# Altium PCB cam_cross_link.PcbDoc (part 1 of 4) (continued)
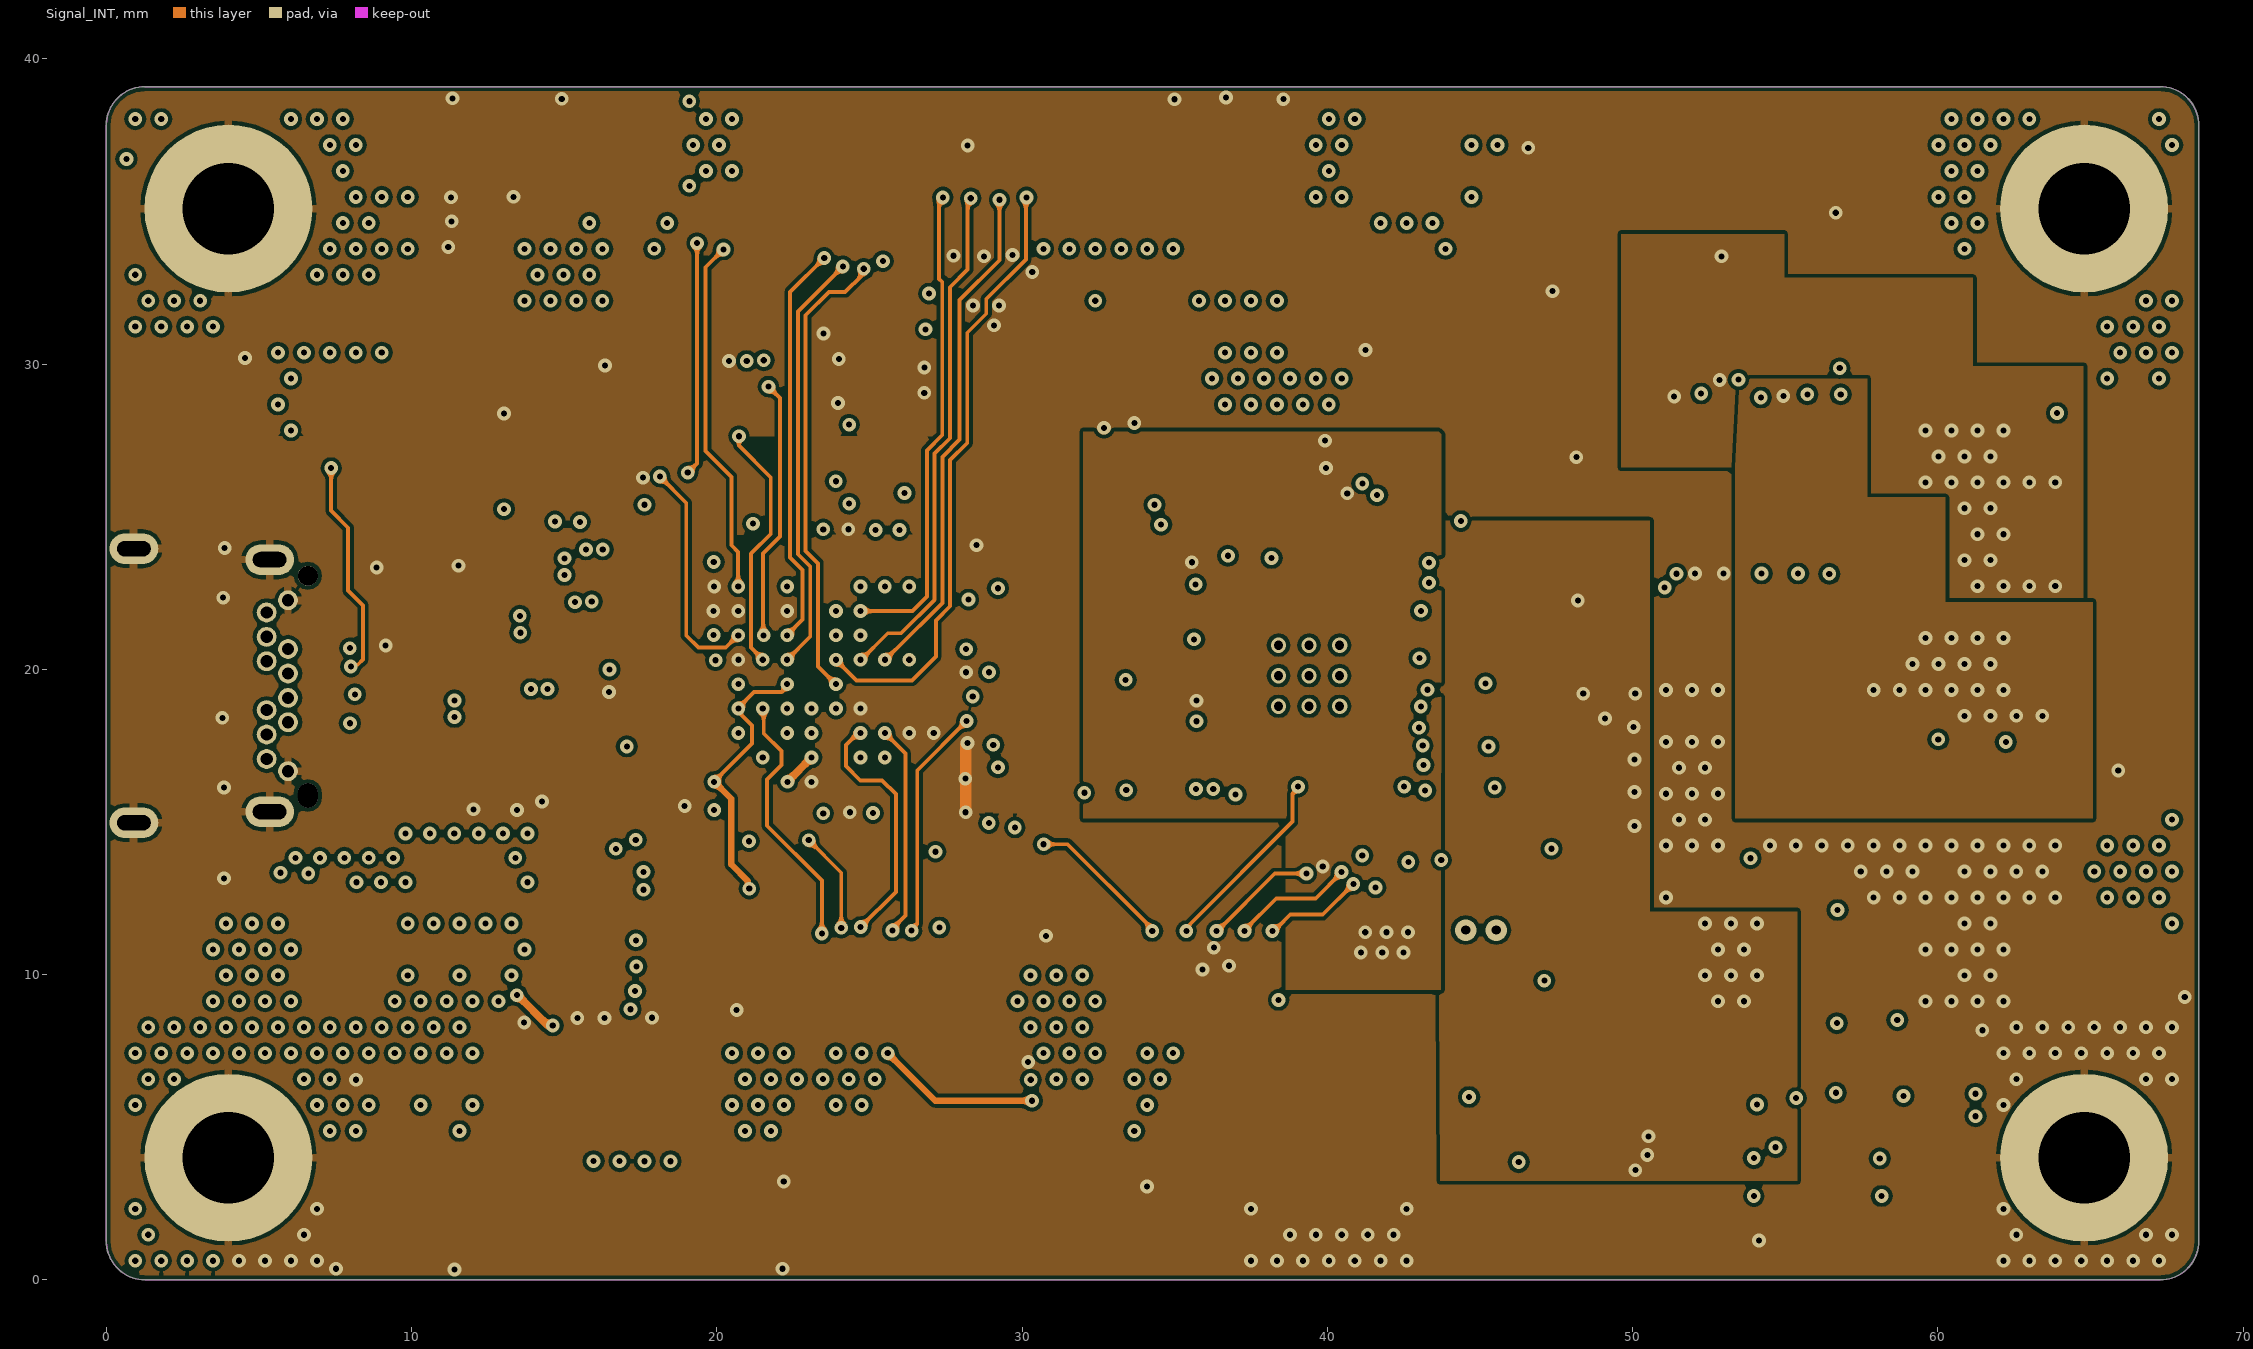
[diagram p4: Signal_INT]
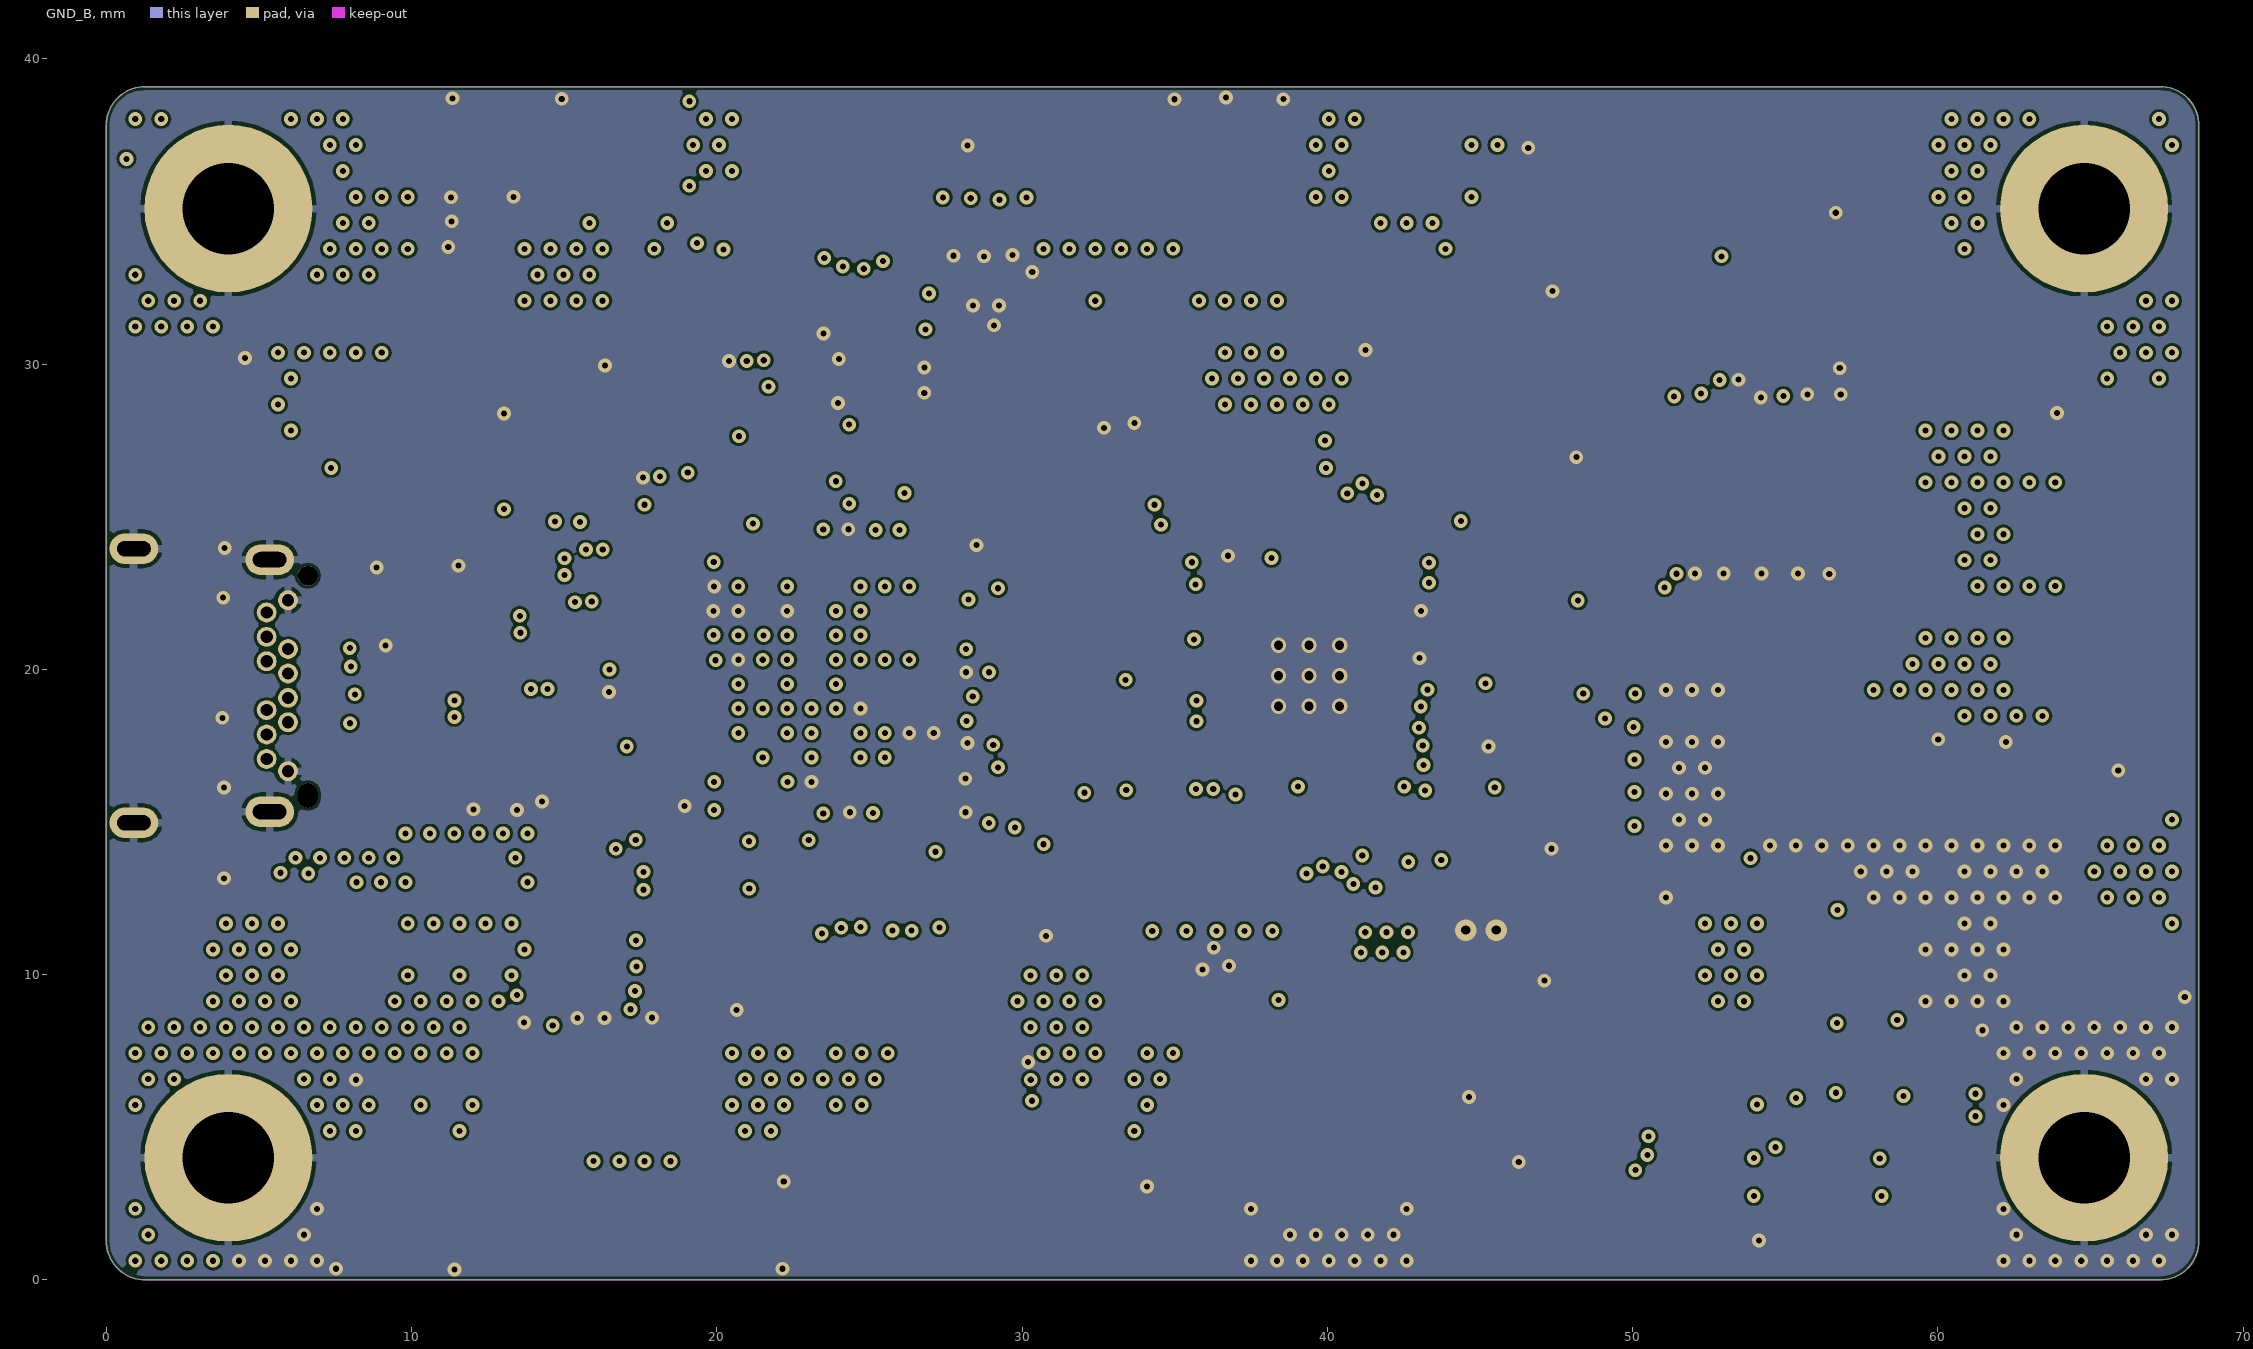
[diagram p5: GND_B]
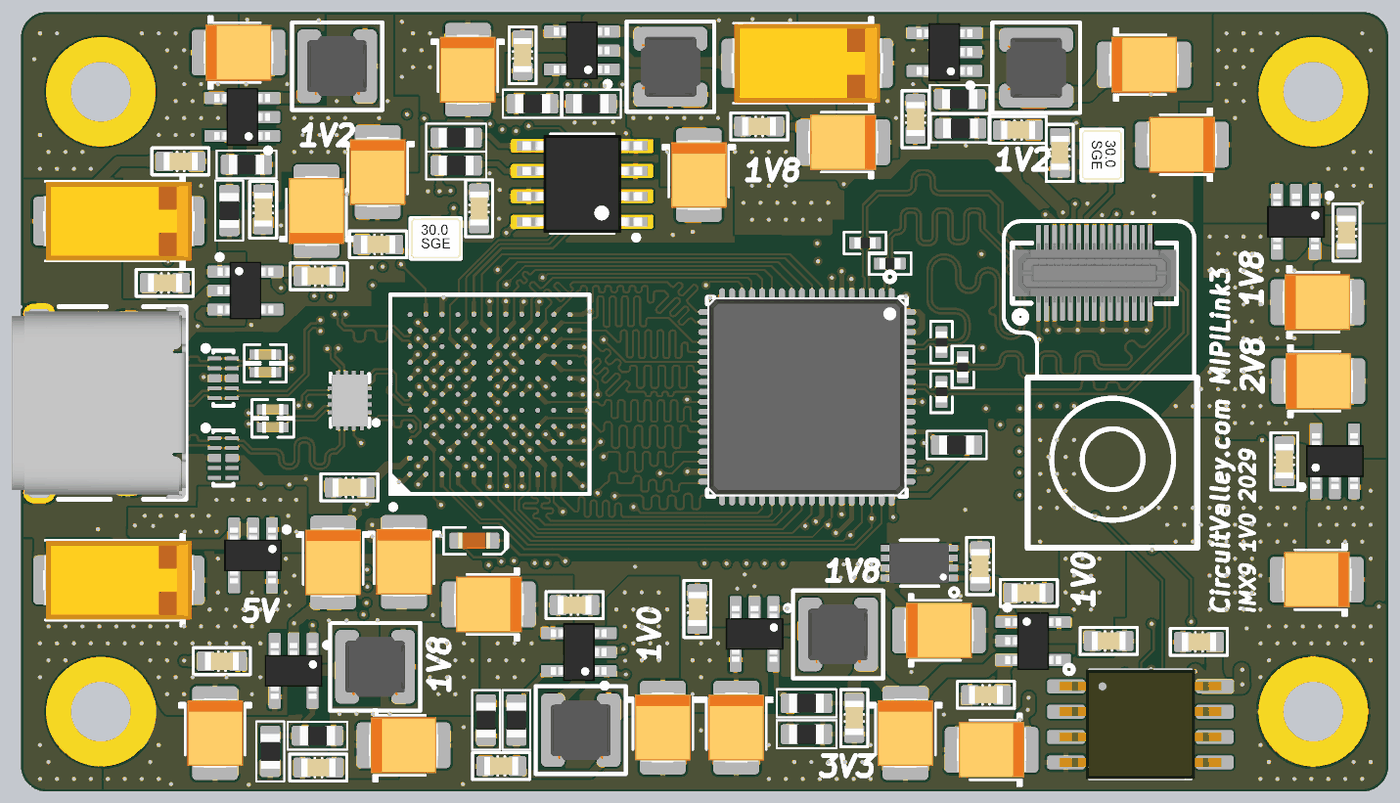
[diagram p9: 3D render of the assembled board from above, using the file's embedded part models]
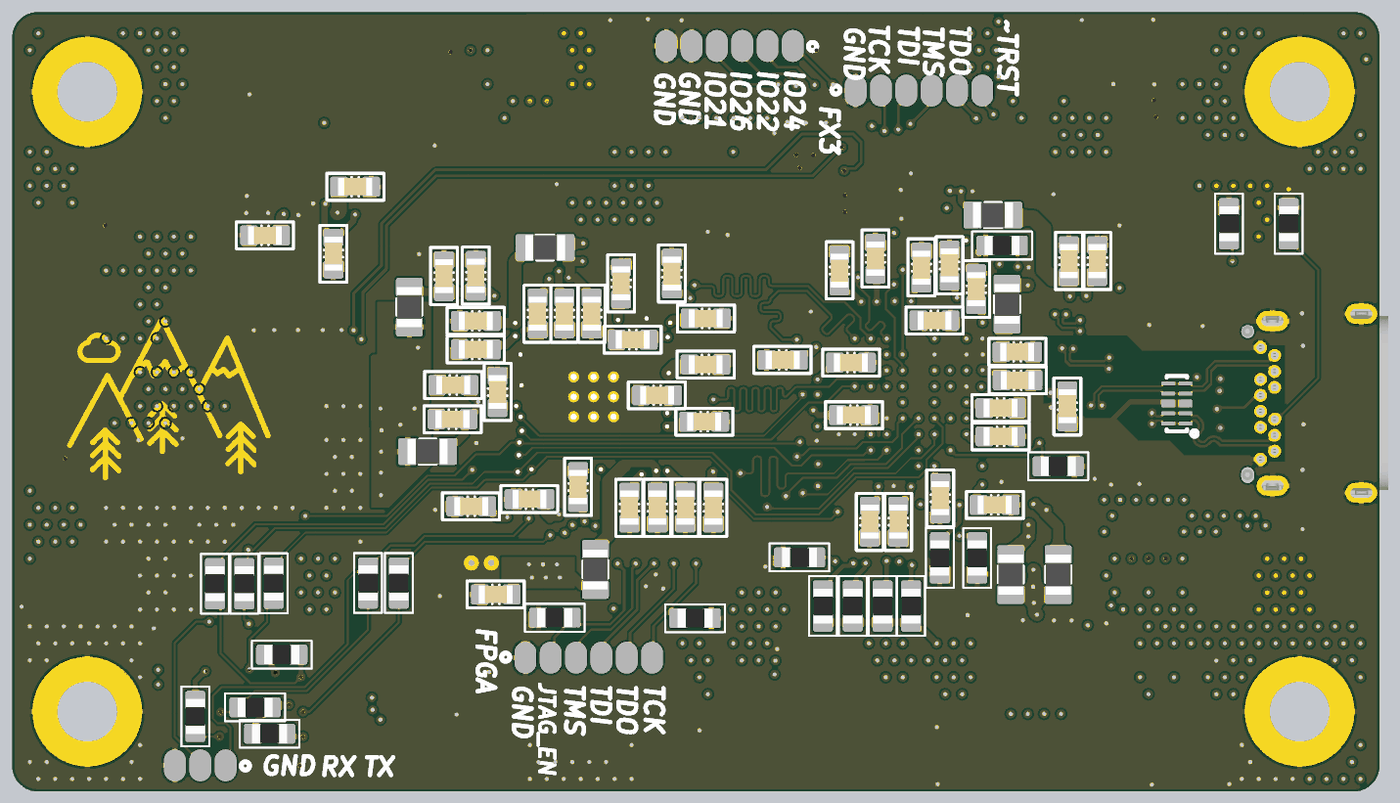
[diagram p10: 3D render of the assembled board from below, using the file's embedded part models]

## Layer stack, top to bottom
Top Solder: solder mask 0.0102, Solder Resist, Dk 3.5
Signal_T: signal copper 0.0356
Dielectric 2: prepreg 0.0711, PP-006, Dk 4.1
GND_T: signal copper 0.035
Dielectric 4: prepreg 0.0711, PP-006, Dk 4.1
PWR: signal copper 0.035
Dielectric 1: dielectric 0.32, FR-4, Dk 4.8
Signal_INT: signal copper 0.035
Dielectric 5: prepreg 0.0711, PP-006, Dk 4.1
GND_B: signal copper 0.035
Dielectric 3: prepreg 0.0711, PP-006, Dk 4.1
Signal_B: signal copper 0.0356
Bottom Solder: solder mask 0.0102, Solder Resist, Dk 3.5

## Board outline
0,8.761 0,37.818 cw(c1.268,37.818) 1.268,39.086 67.102,39.086 67.285,39.086 cw(c67.285,37.816) 68.555,37.816 68.555,1.27 cw(c67.285,1.27) 67.285,0 1.27,0 cw(c1.27,1.27) 0,1.27

## Design rules (kind name [scope] priority, off if disabled: settings)
Clearance Clearance_GNDT [OnLayer('GND_T')] p1: gap=0.127 ignorepadtopadclearanceinfootprint=FALSE
Clearance Clearance_INT [OnLayer('Signal_INT')] p2: gap=0.127 ignorepadtopadclearanceinfootprint=FALSE
Clearance [All] p3: gap=0.092 ignorepadtopadclearanceinfootprint=FALSE
Clearance Clearance_PWR [OnLayer('PWR')] p4: gap=0.127 ignorepadtopadclearanceinfootprint=FALSE
Clearance Clearance_GNDB [OnLayer('GND_B')] p5: gap=0.127 ignorepadtopadclearanceinfootprint=FALSE
ComponentClearance [All] p1: gap=0.254 collisioncheckmode=3 verticalgap=0 showdistances=FALSE
DiffPairsRouting [All] p1: maxlimit=0.102 minlimit=0.102 mostfreqgap=0.102 toplayer_minwidth=0.117 toplayer_maxwidth=0.254 toplayer_prefwidth=0.117 midlayer1_minwidth=0.117 midlayer1_maxwidth=0.254 midlayer1_prefwidth=0.117 midlayer2_minwidth=0.117 midlayer2_maxwidth=0.254 midlayer2_prefwidth=0.117 midlayer3_minwidth=0.117 midlayer3_maxwidth=0.254 midlayer3_prefwidth=0.117 midlayer4_minwidth=0.117 midlayer4_maxwidth=0.254 midlayer4_prefwidth=0.117 bottomlayer_minwidth=0.117 bottomlayer_maxwidth=0.254 bottomlayer_prefwidth=0.117 maxuncoupledlength=12.7
HoleSize [All] p1: absolutevalues=TRUE maxlimit=5 minlimit=0.025 maxpercent=80.000 minpercent=20.000
MatchedLengths Matched_MIPI_GRP [InNetClass('MIPI')] p1: tolerance=0.127 checknetsindiffpair=FALSE checkdiffpairvsdiffpair=TRUE checkxsignals=TRUE checkothers=TRUE
MatchedLengths Matched_MIPI [InNetClass('MIPI')] p2: tolerance=0.127 checknetsindiffpair=TRUE checkdiffpairvsdiffpair=FALSE checkxsignals=FALSE checkothers=FALSE
MatchedLengths Matched_GPIF_GRP [InNetClass('GPIF')] p3: tolerance=1.27 checknetsindiffpair=FALSE checkdiffpairvsdiffpair=TRUE checkxsignals=TRUE checkothers=TRUE
MatchedLengths Matched_USB3FX_GRP [InNetClass('USB3FX')] p4: tolerance=0.127 checknetsindiffpair=FALSE checkdiffpairvsdiffpair=TRUE checkxsignals=TRUE checkothers=TRUE
MatchedLengths Match_USB3FX [InNetClass('USB3FX')] p5: tolerance=0.102 checknetsindiffpair=TRUE checkdiffpairvsdiffpair=FALSE checkxsignals=FALSE checkothers=FALSE
MatchedLengths Matched_USB3_GRP [InNetClass('USB3')] p6: tolerance=0.254 checknetsindiffpair=FALSE checkdiffpairvsdiffpair=TRUE checkxsignals=TRUE checkothers=TRUE
MatchedLengths Matched_USB2 [InNetClass('USB2')] p7: tolerance=1.016 checknetsindiffpair=TRUE checkdiffpairvsdiffpair=FALSE checkxsignals=FALSE checkothers=FALSE
MatchedLengths Matched_USB3 [InNetClass('USB3')] p8: tolerance=0.102 checknetsindiffpair=TRUE checkdiffpairvsdiffpair=FALSE checkxsignals=FALSE checkothers=FALSE
MinimumSolderMaskSliver [All] p1: minsoldermaskwidth=0.001
PlaneClearance [All] p1: clearance=0.152
PlaneConnect PlaneConnect_1 [All] p1: pad.planeconnectstyle=Relief pad.reliefexpansion=0.508 pad.reliefentries=4 pad.reliefconductorwidth=0.254 pad.reliefairgap=0.127 via.planeconnectstyle=Direct via.reliefexpansion=0.508 via.reliefentries=4 via.reliefconductorwidth=0.254 via.reliefairgap=0.254
PolygonConnect [All] p1: thpad.connectstyle=Relief thpad.reliefconductorwidth=0.254 thpad.reliefentries=4 thpad.polygonreliefangle="90 Angle" thpad.airgapwidth=0.127 smdpad.connectstyle=Relief smdpad.reliefconductorwidth=0.254 smdpad.reliefentries=4 smdpad.polygonreliefangle="90 Angle" smdpad.airgapwidth=0.127 via.connectstyle=Direct via.reliefconductorwidth=0.254 via.reliefentries=4 via.polygonreliefangle="90 Angle" via.airgapwidth=0.254
RoutingVias [All] p1: holewidth=0.2 width=0.45 viastyle="Through Hole" minholewidth=0.2 minwidth=0.45 maxholewidth=6.3 maxwidth=7
SilkToSilkClearance [All] p1: silktosilkclearance=0
SilkToSolderMaskClearance [IsPad] p1: minsilkscreentomaskgap=0 clearancetoexposedcopper=TRUE
SolderMaskExpansion [All] p1: expansion=0.025 istentingtop=FALSE
Width [All] p1: maxlimit=1.27 minlimit=0.09 preferedwidth=0.127 midlayer1_minwidth=0.127 midlayer2_minwidth=0.127 midlayer3_minwidth=0.127 midlayer4_minwidth=0.127 minimp=50.000000 maximp=50.000000 favimp=50.000000
22 further rules are at their usual default settings.

## Classes and differential pairs
net class USB3FX: FX3_SSRX_N FX3_SSRX_P FX3_SSTX_N FX3_SSTX_P
net class USB2: SS_D_N SS_D_P
net class GPIF: DQ0_MOSI DQ1_MISO DQ2 DQ3 FPGA_CLK FPGA_CTL0 FPGA_CTL1 FPGA_D0 FPGA_D1 FPGA_D2 FPGA_D3 FPGA_D4 FPGA_D5 FPGA_D6 FPGA_D7 FPGA_D8 FPGA_D9 FPGA_D10 FPGA_D11 FPGA_D12 FPGA_D13 FPGA_D14 FPGA_D15 FPGA_D16 FPGA_D17 FPGA_D19 FPGA_D20 FPGA_D21 FPGA_D22 FPGA_D23 FPGA_D24 FPGA_D25 FPGA_D26 FPGA_D27 FPGA_D28 FPGA_D30 FPGA_D31
net class USB3: SS_RX1_N SS_RX1_P SS_RX2_N SS_RX2_P SS_TX1_N SS_TX1_P SS_TX2_N SS_TX2_P
net class MIPI: CAM_CLK_N CAM_CLK_P CAM_D0_N CAM_D0_P CAM_D1_N CAM_D1_P CAM_D2_N CAM_D2_P CAM_D3_N CAM_D3_P
component class usb: C60 C61 C62 C63 C64 C65 C66 C67 C68 C69 C70 C71 C72 C73 C74 C75 C76 C77 C78 C79 C80 C81 C87 C88 C89 C90 C91 C92 C93 FB4 FB5 FB6 FB7 J2 LED1 P2 P3 P4 R16 R17 R19 R20 R21 R22 R23 R24 R25 R26 R27 R28 R41 U12 U13 U14 U15 U16 U17 U18 X2
component class power: C35 C39 C40 C41 C42 C43 C44 C45 C46 C47 C48 C49 C50 C51 C52 C53 C54 C55 C56 C57 C58 C59 C82 C85 C86 C95 C96 C97 C98 C99 C100 C101 L2 L3 L4 L5 L6 R8 R9 R10 R11 R12 R13 R14 R15 R36 R37 U6 U7 U8 U9 U10 U11 U19 U20
component class camera: C25 C26 C27 C28 C29 C30 C31 C32 C33 C34 C36 C37 C38 C83 C84 J1 L1 R6 R7 U3 U4 U5 X1
component class cam_cross_link: C1 C2 C3 C4 C5 C6 C7 C8 C9 C10 C11 C12 C13 C14 C15 C16 C17 C18 C19 C20 C21 C22 C23 C24 C94 FB1 FB2 FB3 FB8 P1 R1 R2 R3 R4 R5 R29 R30 R31 R32 R33 R34 R35 R38 R39 R40 R42 R43 U1 U2
differential pair C1: +C1_P -C1_N
differential pair B1: +B1_P -B1_N
differential pair SS_TX2: +SS_TX2_P -SS_TX2_N
differential pair SS_RX1: +SS_RX1_P -SS_RX1_N
differential pair FX3_SSTX: +FX3_SSTX_P -FX3_SSTX_N
differential pair FX3_SSRX: +FX3_SSRX_P -FX3_SSRX_N
differential pair SS_TX1: +SS_TX1_P -SS_TX1_N
differential pair SS_RX2: +SS_RX2_P -SS_RX2_N
differential pair SS_D: +SS_D_P -SS_D_N
differential pair CAM_D3: +CAM_D3_P -CAM_D3_N
differential pair CAM_D2: +CAM_D2_P -CAM_D2_N
differential pair CAM_D1: +CAM_D1_P -CAM_D1_N
differential pair CAM_D0: +CAM_D0_P -CAM_D0_N
differential pair CAM_CLK: +CAM_CLK_P -CAM_CLK_N

## Components (designator, comment, footprint, x,y, rotation, side; value= is the part's Value field where it differs from the comment)
C1 "100n" CAPC1608N 33.782,23.724 r0 bottom
C2 "100n" CAPC1608N 36.22,19.863 r180 bottom
C3 "100n" CAPC1608N 40.183,15.265 r270 bottom
C4 "100n" CAPC1608N 39.497,23.965 r90 bottom
C5 "100n" CAPC1608N 33.795,21.412 r0 bottom
C6 "100n" CAPC1608N 35.484,25.971 r270 bottom
C7 "100n" CAPC1608N 33.858,18.542 r0 bottom
C8 "100n" CAPC1608N 42.621,14.656 r180 bottom
C9 "100n" CAPC1608N 45.542,14.3 r180 bottom
C10 "100n" CAPC1608N 45.309,23.598 r180 bottom
C11 "100n" CAPC1608N 36.206,14.232 r90 bottom
C12 "100n" CAPC1608N 46.482,18.669 r0 bottom
C13 "1uf" CAPC1608N 46.44,20.383 r180 bottom
C14 "1uf" CAPC1608N 45.309,22.167 r180 bottom
C15 "100n" CAPC1608N 45.309,25.862 r270 bottom
C16 "100n" CAPC1608N 46.907,25.841 r270 bottom
C17 "100n" CAPC1608N 33.401,14.232 r90 bottom
C18 "100n" CAPC1608N 34.803,14.232 r90 bottom
C19 "100n" CAPC1608N 37.608,14.232 r90 bottom
C20 "100n" CAPC1608N 44.223,20.028 r270 bottom
C21 "100n" CAPC1608N 40.869,23.965 r90 bottom
C22 "100n" CAPC1608N 42.215,23.965 r90 bottom
C23 "100n" CAPC1608N 38.024,25.476 r270 bottom
C24 "100n" CAPC1608N 37.44,22.657 r180 bottom
C25 "100n" CAPC1608N 66.465,28.024 r270 top
C26 "10µ" CAPMP3528X210N 58.217,32.436 r180 top
C27 "10µ" CAPMP3528X210N 65.001,24.536 r0 top
C28 "100n" CAPC1608N 52.095,32.029 r90 top
C29 "100n" CAPC1608N 63.348,16.561 r90 top
C30 "10µ" CAPMP3528X210N 65.049,20.574 r0 top
C31 "10µ" CAPMP3528X210N 41.224,32.563 r180 top
C32 "10µ" CAPMP3528X210N 56.312,36.449 r0 top
C33 "100n" CAPC1608N 44.852,33.722 r90 top
C34 "100n" CAPC1608N 49.996,33.171 r0 top
C35 "10µ" CAPMP3528X210N 23.455,9.377 r180 top
C36 "100n" CAPC1608N 52.45,26.972 r90 bottom
C37 "100n" CAPC1608N 51.359,30.328 r0 bottom
C38 "100n" CAPC1608N 55.88,27.889 r180 bottom
C39 "10µ" CAPMP3528X210N 32.182,3.2 r270 top
C40 "10µ" CAPMP3528X210N 9.728,2.921 r270 top
C41 "100n" CAPC1608N 27.75,9.347 r180 top
C42 "100n" CAPC1608N 24.079,1.27 r0 top
C43 "10µ" CAPMP3528X210N 19.177,2.311 r0 top
C44 "10µ" CAPMP3528X210N 35.865,3.2 r270 top
C45 "100n" CAPC1608N 10.071,6.528 r0 top
C46 "100n" CAPC1608N 14.91,1.194 r0 top
C47 "10µ" CAPMP3528X210N 44.348,2.921 r270 top
C48 "10µ" CAPMP3528X210N 10.897,37.059 r0 top
C49 "100n" CAPC1608N 33.909,9.144 r270 top
C50 "100n" CAPC1608N 41.783,3.683 r90 top
C51 "100n" CAPC1608N 50.521,9.957 r180 top
C52 "10µ" CAPMP3528X210N 17.882,31.064 r270 top
C53 "100n" CAPC1608N 54.534,7.544 r180 top
C54 "10µ" CAPMP3528X210N 48.666,2.083 r180 top
C55 "100n" CAPC1608N 48.389,4.84 r0 top
C56 "10µ" CAPMP3528X210N 46.025,8.077 r0 top
C57 "100n" CAPC1608N 48.082,11.29 r270 top
C58 "100n" CAPC1608N 8.001,31.598 r0 top
C59 "100n" CAPC1608N 12.141,29.185 r90 top
C60 "100n" CAPC1608N 14.148,26.594 r270 bottom
C61 "10n" CAPC1608N 15.572,26.594 r270 bottom
C62 "100n" CAPC1608N 25.273,26.721 r270 bottom
C63 "100n" CAPC1608N 22.022,14.707 r90 bottom
C64 "100n" CAPC1608N 29.921,21.641 r180 bottom
C65 "100n" CAPC1608N 21.559,26.38 r270 bottom
C66 "100n" CAPC1608N 24.13,13.525 r90 bottom
C67 "100n" CAPC1608N 19.292,14.368 r0 bottom
C68 "10n" CAPC1608N 27.076,26.124 r270 bottom
C69 "10n" CAPC1608N 22.967,26.271 r270 bottom
C70 "100n" CAPC1608N 20.22,25.188 r270 bottom
C71 "100n" CAPC1608N 22.314,23.622 r0 bottom
C72 "100n" CAPC1608N 18.999,17.805 r0 bottom
C73 "100n" CAPC1608N 26.355,18.872 r0 bottom
C74 "100n" CAPC1608N 26.498,21.51 r0 bottom
C75 "100n" CAPC1608N 25.552,13.525 r90 bottom
C76 "100n" CAPC1608N 18.142,20.623 r0 bottom
C77 "2.2u" CAPC1608N 18.161,22.047 r0 bottom
C78 "7pf" CAPC1608N 17.907,27.432 r0 top
C79 "7pf" CAPC1608N 22.962,29.235 r270 top
C80 "100n" CAPC1608N 18.999,19.228 r0 bottom
C81 "100n" CAPC1608N 16.472,15.24 r0 top